# KiCad board Nova CPU Tester LED BUffers.kicad_pcb
title: Data General Nova 1200 CPU Diagnostic; date: 2019-05-19; rev: Rev 0; company: Forgotten Machines
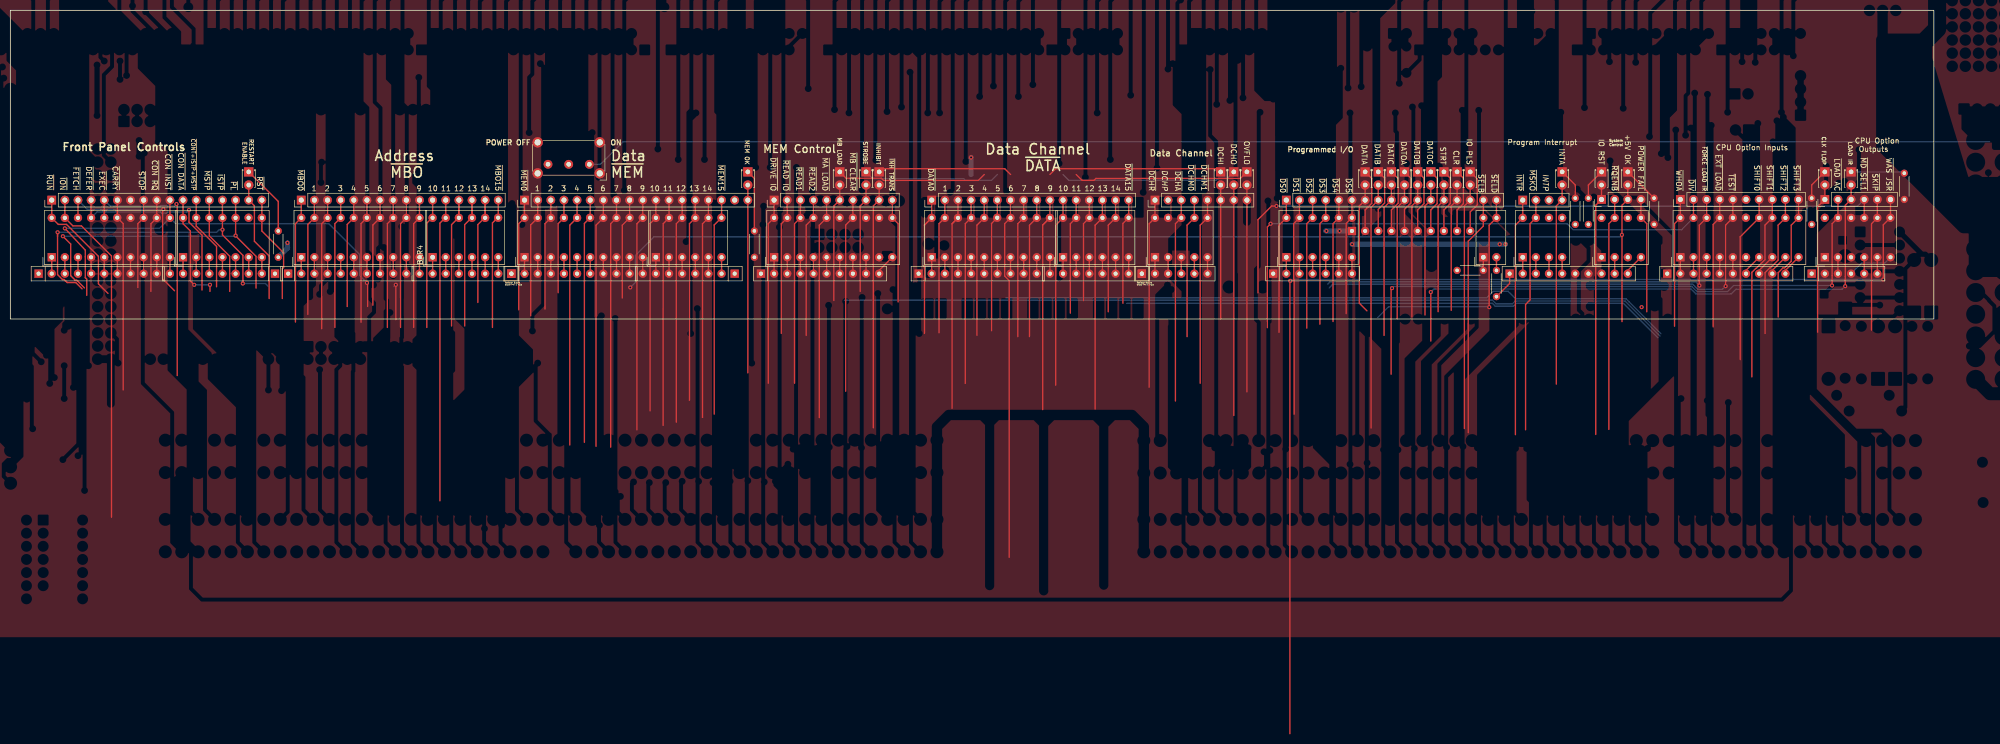
[diagram p0: board, top side]
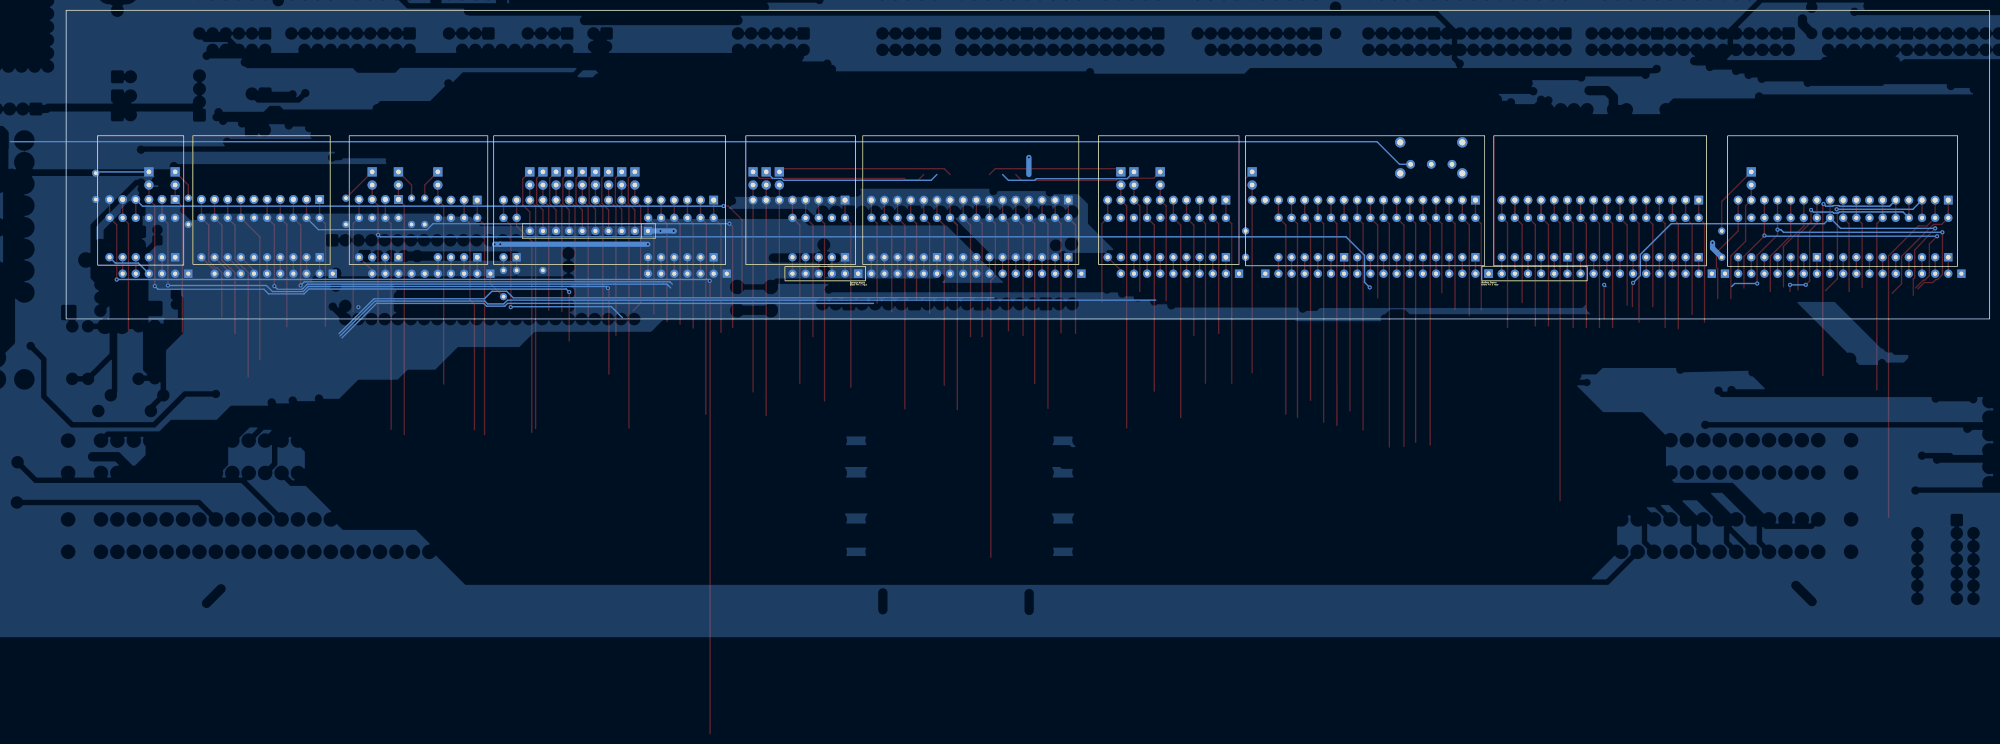
[diagram p1: board, bottom side, seen from below]

Outline 371.98 x 59.69 mm; copper layers: Top, Bottom. Coordinates in mm from the lower left corner of the outline.
Outline path: rectangle 0,59.69 371.98,0
Stack: Top 0.035mm / dielectric 1.51mm FR4 er 4.5 / Bottom 0.035mm

## Placement (name value [footprint] x y rotation side)
BAR1  -  [LED Bar 10]  8 11.94 0 top
BAR2  LED Bar 10  [LED Bar 7]  33.4 11.94 0 top
BAR3  -  [LED Bar 10]  56.26 11.94 0 top
BAR4  LED Bar 10  [LED Bar 6]  81.66 11.94 0 top
BAR5  -  [LED Bar 10]  99.44 11.94 0 top
BAR6  LED Bar 10  [LED Bar 6]  124.84 11.94 0 top
BAR7  -  [LED Bar 10]  147.7 11.94 0 top
BAR8  -  [LED Bar 10]  178.18 11.94 0 top
BAR9  LED Bar 10  [LED Bar 6]  203.58 11.94 0 top
BAR10  LED Bar 10  [LED Bar 6]  246.76 11.94 0 top
BAR11  LED Bar 10  [LED Bar 5]  221.36 11.94 0 top
BAR12  -  [LED Bar 2]  284.86 11.94 0 top
BAR13  -  [LED Bar 4]  292.48 11.94 0 top
BAR14  -  [LED Bar 4]  307.72 11.94 0 top
BAR15  -  [LED Bar 10]  322.96 11.94 0 top
BAR16  LED Bar 10  [LED Bar 6]  350.9 11.94 0 top
D7  LED  [LED_D1.8mm_W3.3mm_H2.4mm]  46.1 28.45 270 top
D8  LED  [LED_D1.8mm_W3.3mm_H2.4mm]  142.62 28.45 270 top
D9  LED  [LED_D1.8mm_W3.3mm_H2.4mm]  160.4 28.45 270 top
D10  LED  [LED_D1.8mm_W3.3mm_H2.4mm]  165.48 28.45 270 top
D11  LED  [LED_D1.8mm_W3.3mm_H2.4mm]  168.02 28.45 270 top
D12  LED  [LED_D1.8mm_W3.3mm_H2.4mm]  262 28.45 270 top
D13  LED  [LED_D1.8mm_W3.3mm_H2.4mm]  234.06 28.45 270 top
D14  LED  [LED_D1.8mm_W3.3mm_H2.4mm]  236.6 28.45 270 top
D15  LED  [LED_D1.8mm_W3.3mm_H2.4mm]  239.14 28.45 270 top
D16  LED  [LED_D1.8mm_W3.3mm_H2.4mm]  264.54 28.45 270 top
D17  LED  [LED_D1.8mm_W3.3mm_H2.4mm]  267.08 28.45 270 top
D18  LED  [LED_D1.8mm_W3.3mm_H2.4mm]  274.7 28.45 270 top
D19  LED  [LED_D1.8mm_W3.3mm_H2.4mm]  277.24 28.45 270 top
D20  LED  [LED_D1.8mm_W3.3mm_H2.4mm]  279.78 28.45 270 top
D21  LED  [LED_D1.8mm_W3.3mm_H2.4mm]  269.62 28.45 270 top
D22  LED  [LED_D1.8mm_W3.3mm_H2.4mm]  272.16 28.45 270 top
D23  LED  [LED_D1.8mm_W3.3mm_H2.4mm]  282.32 28.45 270 top
D24  LED  [LED_D1.8mm_W3.3mm_H2.4mm]  312.8 28.45 270 top
D25  LED  [LED_D1.8mm_W3.3mm_H2.4mm]  300.1 28.45 270 top
D26  LED  [LED_D1.8mm_W3.3mm_H2.4mm]  307.72 28.45 270 top
D27  LED  [LED_D1.8mm_W3.3mm_H2.4mm]  355.98 28.45 270 top
D28  LED  [LED_D1.8mm_W3.3mm_H2.4mm]  350.9 28.45 270 top
FPIMAGE1  MountingHole  [nova frontpanel layout]  -334.26 363.09 0 top
J6  MBO  [PinHeader_1x16_P2.54mm_Vertical]  56.26 22.99 90 top
J7  MEM  [PinHeader_1x18_P2.54mm_Vertical]  99.44 22.99 90 top
J8  Data Channel  [PinHeader_1x16_P2.54mm_Vertical]  178.18 22.99 90 top
J9  Front Panel Controls  [PinHeader_1x17_P2.54mm_Vertical]  8 22.99 90 top
J10  Programmed I/O  [PinHeader_1x17_P2.54mm_Vertical]  246.76 22.99 90 top
J11  CPU Option Inputs  [PinHeader_1x10_P2.54mm_Vertical]  322.96 23.11 90 top
J12  Data Channel  [PinHeader_1x08_P2.54mm_Vertical]  221.36 22.99 90 top
J13  Program Interrupt  [PinHeader_1x04_P2.54mm_Vertical]  292.48 22.99 90 top
J14  System Control  [PinHeader_1x04_P2.54mm_Vertical]  307.72 23.11 90 top
J17  CPU Option Outputs  [PinHeader_1x06_P2.54mm_Vertical]  350.9 23.11 90 top
J18  MEM Control Outputs  [PinHeader_1x10_P2.54mm_Vertical]  147.7 22.99 90 top
R7  R_US  [R_Axial_DIN0204_L3.6mm_D1.6mm_P5.08mm_Horizontal]  51.82 11.94 90 top
R8  R_US  [R_Axial_DIN0204_L3.6mm_D1.6mm_P5.08mm_Horizontal]  143.89 11.94 90 top
R9  R_US  [R_Axial_DIN0204_L3.6mm_D1.6mm_P5.08mm_Horizontal]  287.4 4.32 90 top
R10  R_US  [R_Axial_DIN0204_L3.6mm_D1.6mm_P5.08mm_Horizontal]  279.78 9.4 0 top
R11  R_US  [R_Axial_DIN0204_L3.6mm_D1.6mm_P5.08mm_Horizontal]  302.64 18.29 90 top
R12  R_US  [R_Axial_DIN0204_L3.6mm_D1.6mm_P5.08mm_Horizontal]  305.18 18.29 90 top
R13  R_US  [R_Axial_DIN0204_L3.6mm_D1.6mm_P5.08mm_Horizontal]  366.27 23.11 90 top
R14  R_US  [R_Axial_DIN0204_L3.6mm_D1.6mm_P5.08mm_Horizontal]  317.88 18.29 90 top
R15  R_US  [R_Axial_DIN0204_L3.6mm_D1.6mm_P5.08mm_Horizontal]  348.36 18.29 90 top
RN1  R_Network09_US  [R_Array_SIP10]  5.46 8.76 0 top
RN2  R_Network08_US  [R_Array_SIP9]  51.18 8.76 180 top
RN3  R_Network09_US  [R_Array_SIP10]  53.72 8.76 0 top
RN4  R_Network07_US  [R_Array_SIP8]  96.9 8.76 180 top
RN5  R_Network09_US  [R_Array_SIP10]  96.9 8.76 0 top
RN6  R_Network07_US  [R_Array_SIP8]  140.08 8.76 180 top
RN7  R_Network09_US  [R_Array_SIP10]  145.16 8.76 0 top
RN8  R_Network09_US  [R_Array_SIP10]  175.64 8.76 0 top
RN9  R_Network07_US  [R_Array_SIP8]  218.82 8.76 180 top
RN10  R_Network05_US  [R_Array_SIP6]  218.82 8.76 0 top
RN12  R_Network06_US  [R_Array_SIP7]  244.22 8.76 0 top
RN13  R_Network09_US  [R_Array_SIP10]  289.94 8.76 0 top
RN14  R_Network09_US  [R_Array_SIP10]  259.46 17.02 0 bottom
RN15  R_Network09_US  [R_Array_SIP10]  320.42 8.76 0 top
RN16  R_Network05_US  [R_Array_SIP6]  348.36 8.76 0 top
SW2  Power Swtich  [SW_E-Switch_EG1224_SPDT_Angled]  111.98 29.91 180 top

## Library data of the parts
D7-D28 = -: Description: Light emitting diode
J6 J8 = -: Description: Generic connector, single row, 01x16, script generated (kicad-library-utils/schlib/autogen/connector/)
J7 = -: Description: Generic connector, single row, 01x18, script generated (kicad-library-utils/schlib/autogen/connector/)
J9 J10 = -: Description: Generic connector, single row, 01x17, script generated (kicad-library-utils/schlib/autogen/connector/)
J11 J18 = -: Description: Generic connector, single row, 01x10, script generated (kicad-library-utils/schlib/autogen/connector/)
J12 = -: Description: Generic connector, single row, 01x08, script generated (kicad-library-utils/schlib/autogen/connector/)
J13 J14 = -: Description: Generic connector, single row, 01x04, script generated (kicad-library-utils/schlib/autogen/connector/)
J17 = -: Description: Generic connector, single row, 01x06, script generated (kicad-library-utils/schlib/autogen/connector/)
R7-R15 = -: Description: Resistor, US symbol
RN1 RN3 RN5 RN7 RN8 RN13-RN15 = -: Description: 9 resistor network, star topology, bussed resistors, small US symbol
RN2 = -: Description: 8 resistor network, star topology, bussed resistors, small US symbol
RN4 RN6 RN9 = -: Description: 7 resistor network, star topology, bussed resistors, small US symbol
RN10 RN16 = -: Description: 5 resistor network, star topology, bussed resistors, small US symbol
RN12 = -: Description: 6 resistor network, star topology, bussed resistors, small US symbol
SW2 = -: Description: Momentary Switch, dual pole double throw

## Footprints (pads in the part's own frame, mm; a bottom-side part is the same pattern mirrored in y, then rotated)
LED Bar 2
  rect 1.6x1.6 hole 0.914: 1(0,0)
  oval 1.6x1.6 hole 0.8: 2(2.54,0)
  round 1.6 hole 0.8: 19(2.54,7.62) 20(0,7.62)
LED Bar 4
  rect 1.6x1.6 hole 0.914: 1(0,0)
  oval 1.6x1.6 hole 0.8: 2(2.54,0) 3(5.08,0) 4(7.62,0) 17(7.62,7.62)
  round 1.6 hole 0.8: 18(5.08,7.62) 19(2.54,7.62) 20(0,7.62)
LED Bar 5
  rect 1.6x1.6 hole 0.914: 1(0,0)
  oval 1.6x1.6 hole 0.8: 2(2.54,0) 3(5.08,0) 4(7.62,0) 5(10.16,0) 16(10.16,7.62) 17(7.62,7.62)
  round 1.6 hole 0.8: 18(5.08,7.62) 19(2.54,7.62) 20(0,7.62)
LED Bar 6
  rect 1.6x1.6 hole 0.914: 1(0,0)
  oval 1.6x1.6 hole 0.8: 2(2.54,0) 3(5.08,0) 4(7.62,0) 5(10.16,0) 6(12.7,0) 15(12.675,7.64) 16(10.16,7.62) 17(7.62,7.62)
  round 1.6 hole 0.8: 18(5.08,7.62) 19(2.54,7.62) 20(0,7.62)
LED Bar 7
  rect 1.6x1.6 hole 0.914: 1(0,0)
  oval 1.6x1.6 hole 0.8: 2(2.54,0) 3(5.08,0) 4(7.62,0) 5(10.16,0) 6(12.7,0) 7(15.24,0) 14(15.24,7.62) 15(12.675,7.64) 16(10.16,7.62) 17(7.62,7.62)
  round 1.6 hole 0.8: 18(5.08,7.62) 19(2.54,7.62) 20(0,7.62)
LED Bar 10
  rect 1.6x1.6 hole 0.914: 1(0,0)
  oval 1.6x1.6 hole 0.8: 2(2.54,0) 3(5.08,0) 4(7.62,0) 5(10.16,0) 6(12.7,0) 7(15.24,0) 8(17.78,0) 9(20.32,0) 10(22.86,0) 11(22.86,7.62) 12(20.32,7.62) 13(17.78,7.62) 14(15.24,7.62) 15(12.675,7.64) 16(10.16,7.62) 17(7.62,7.62)
  round 1.6 hole 0.8: 18(5.08,7.62) 19(2.54,7.62) 20(0,7.62)
LED_D1.8mm_W3.3mm_H2.4mm
  rect 1.8x1.8 hole 0.9: 1(0,0)
  round 1.8 hole 0.9: 2(2.54,0)
PinHeader_1x04_P2.54mm_Vertical
  rect 1.7x1.7 hole 1: 1(0,0)
  oval 1.7x1.7 hole 1: 2(0,-2.54) 3(0,-5.08) 4(0,-7.62)
PinHeader_1x06_P2.54mm_Vertical
  rect 1.7x1.7 hole 1: 1(0,0)
  oval 1.7x1.7 hole 1: 2(0,-2.54) 3(0,-5.08) 4(0,-7.62) 5(0,-10.16) 6(0,-12.7)
PinHeader_1x08_P2.54mm_Vertical
  rect 1.7x1.7 hole 1: 1(0,0)
  oval 1.7x1.7 hole 1: 2(0,-2.54) 3(0,-5.08) 4(0,-7.62) 5(0,-10.16) 6(0,-12.7) 7(0,-15.24) 8(0,-17.78)
PinHeader_1x10_P2.54mm_Vertical
  rect 1.7x1.7 hole 1: 1(0,0)
  oval 1.7x1.7 hole 1: 2(0,-2.54) 3(0,-5.08) 4(0,-7.62) 5(0,-10.16) 6(0,-12.7) 7(0,-15.24) 8(0,-17.78) 9(0,-20.32) 10(0,-22.86)
PinHeader_1x16_P2.54mm_Vertical
  rect 1.7x1.7 hole 1: 1(0,0)
  oval 1.7x1.7 hole 1: 2(0,-2.54) 3(0,-5.08) 4(0,-7.62) 5(0,-10.16) 6(0,-12.7) 7(0,-15.24) 8(0,-17.78) 9(0,-20.32) 10(0,-22.86) 11(0,-25.4) 12(0,-27.94) 13(0,-30.48) 14(0,-33.02) 15(0,-35.56) 16(0,-38.1)
PinHeader_1x17_P2.54mm_Vertical
  rect 1.7x1.7 hole 1: 1(0,0)
  oval 1.7x1.7 hole 1: 2(0,-2.54) 3(0,-5.08) 4(0,-7.62) 5(0,-10.16) 6(0,-12.7) 7(0,-15.24) 8(0,-17.78) 9(0,-20.32) 10(0,-22.86) 11(0,-25.4) 12(0,-27.94) 13(0,-30.48) 14(0,-33.02) 15(0,-35.56) 16(0,-38.1) 17(0,-40.64)
PinHeader_1x18_P2.54mm_Vertical
  rect 1.7x1.7 hole 1: 1(0,0)
  oval 1.7x1.7 hole 1: 2(0,-2.54) 3(0,-5.08) 4(0,-7.62) 5(0,-10.16) 6(0,-12.7) 7(0,-15.24) 8(0,-17.78) 9(0,-20.32) 10(0,-22.86) 11(0,-25.4) 12(0,-27.94) 13(0,-30.48) 14(0,-33.02) 15(0,-35.56) 16(0,-38.1) 17(0,-40.64) 18(0,-43.18)
R_Array_SIP6
  rect 1.6x1.6 hole 0.8: 1(0,0)
  oval 1.6x1.6 hole 0.8: 2(2.54,0) 3(5.08,0) 4(7.62,0) 5(10.16,0) 6(12.7,0)
R_Array_SIP7
  rect 1.6x1.6 hole 0.8: 1(0,0)
  oval 1.6x1.6 hole 0.8: 2(2.54,0) 3(5.08,0) 4(7.62,0) 5(10.16,0) 6(12.7,0) 7(15.24,0)
R_Array_SIP8
  rect 1.6x1.6 hole 0.8: 1(0,0)
  oval 1.6x1.6 hole 0.8: 2(2.54,0) 3(5.08,0) 4(7.62,0) 5(10.16,0) 6(12.7,0) 7(15.24,0) 8(17.78,0)
R_Array_SIP9
  rect 1.6x1.6 hole 0.8: 1(0,0)
  oval 1.6x1.6 hole 0.8: 2(2.54,0) 3(5.08,0) 4(7.62,0) 5(10.16,0) 6(12.7,0) 7(15.24,0) 8(17.78,0) 9(20.32,0)
R_Array_SIP10
  rect 1.6x1.6 hole 0.8: 1(0,0)
  oval 1.6x1.6 hole 0.8: 2(2.54,0) 3(5.08,0) 4(7.62,0) 5(10.16,0) 6(12.7,0) 7(15.24,0) 8(17.78,0) 9(20.32,0) 10(22.86,0)
R_Axial_DIN0204_L3.6mm_D1.6mm_P5.08mm_Horizontal
  round 1.4 hole 0.7: 1(0,0)
  oval 1.4x1.4 hole 0.7: 2(5.08,0)
SW_E-Switch_EG1224_SPDT_Angled
  round 2 hole 1.2: (-2,1.75) (-2,-4.25) (10,1.75) (10,-4.25)
  round 1.7 hole 0.9: 1(0,0) 2(4,0) 3(8,0)

## Nets
+5V: R9.1 R10.1 RN1.1 RN2.1 RN3.1 RN4.1 RN5.1 RN6.1 RN7.1 RN8.1 RN9.1 RN10.1 RN12.1 RN13.1 RN15.1 RN16.1
+5V OK: D24.2 J14.3
GND: R7.1 R8.1 R11.1 R12.1 R13.1 R14.1 R15.1 RN14.1 SW2.2 SW2.3
CLK FLOP: D28.2 J17.1
CLR: D20.2 J10.14
DATIA: D12.2 J10.7
DATIB: D16.2 J10.8
DATIC: D17.2 J10.9
DATOA: D21.2 J10.10
DATOB: D22.2 J10.11
DATOC: D18.2 J10.12
DCHI: D13.2 J12.6
DCHO: D14.2 J12.7
INHIBIT: D11.2 J18.9
INTA: D25.2 J13.4
IO PLS: D23.2 J10.15
IO RST: D26.2 J14.1
LOAD IR: D27.2 J17.3
MB LOAD: D9.2 J18.6
MEM OK: D8.2 J7.18
OVFLO: D15.2 J12.8
Power SW: SW2.1
RESTART ENABLE: D7.2 J9.16
STROBE: D10.2 J18.8
STRT: D19.2 J10.13
~{CARRY}: BAR1.15 J9.6
~{CON DATA}: BAR2.20 J9.11
~{CON INST}: BAR1.11 J9.10
~{CON RQ}: BAR1.12 J9.9
~{CONT+ISTP+MSTP}: BAR2.19 J9.12
~{DATA0}: BAR8.20 J8.1
~{DATA1}: BAR8.19 J8.2
~{DATA2}: BAR8.18 J8.3
~{DATA3}: BAR8.17 J8.4
~{DATA4}: BAR8.16 J8.5
~{DATA5}: BAR8.15 J8.6
~{DATA6}: BAR8.14 J8.7
~{DATA7}: BAR8.13 J8.8
~{DATA8}: BAR8.12 J8.9
~{DATA9}: BAR8.11 J8.10
~{DATA10}: BAR9.20 J8.11
~{DATA11}: BAR9.19 J8.12
~{DATA12}: BAR9.18 J8.13
~{DATA13}: BAR9.17 J8.14
~{DATA14}: BAR9.16 J8.15
~{DATA15}: BAR9.15 J8.16
~{DCHA}: BAR11.18 J12.3
~{DCHM0}: BAR11.17 J12.4
~{DCHM1}: BAR11.16 J12.5
~{DCHR}: BAR11.20 J12.1
~{DEFER}: BAR1.17 J9.4
~{DIV}: BAR15.19 J11.2
~{DRIVE IO}: BAR7.20 J18.1
~{DS0}: BAR10.20 J10.1
~{DS1}: BAR10.19 J10.2
~{DS2}: BAR10.18 J10.3
~{DS3}: BAR10.17 J10.4
~{DS4}: BAR10.16 J10.5
~{DS5}: BAR10.15 J10.6
~{EXEC}: BAR1.16 J9.5
~{EXT LOAD}: BAR15.17 J11.4
~{FETCH}: BAR1.18 J9.3
~{FORCE LOAD IR}: BAR15.18 J11.3
~{INH TRANS}: BAR7.11 J18.10
~{INTR}: BAR13.20 J13.1
~{ION}: BAR1.19 J9.2
~{ISTP}: BAR2.17 J9.14
~{LOAD AC}: BAR16.19 J17.2
~{MA LOAD}: BAR7.16 J18.5
~{MB CLEAR}: BAR7.14 J18.7
~{MBO0}: BAR3.20 J6.1
~{MBO1}: BAR3.19 J6.2
~{MBO2}: BAR3.18 J6.3
~{MBO3}: BAR3.17 J6.4
~{MBO4}: BAR3.16 J6.5
~{MBO5}: BAR3.15 J6.6
~{MBO6}: BAR3.14 J6.7
~{MBO7}: BAR3.13 J6.8
~{MBO8}: BAR3.12 J6.9
~{MBO9}: BAR3.11 J6.10
~{MBO10}: BAR4.20 J6.11
~{MBO11}: BAR4.19 J6.12
~{MBO12}: BAR4.18 J6.13
~{MBO13}: BAR4.17 J6.14
~{MBO14}: BAR4.16 J6.15
~{MBO15}: BAR4.15 J6.16
~{MD SEL1}: BAR16.17 J17.4
~{MEM0}: BAR5.20 J7.1
~{MEM1}: BAR5.19 J7.2
~{MEM2}: BAR5.18 J7.3
~{MEM3}: BAR5.17 J7.4
~{MEM4}: BAR5.16 J7.5
~{MEM5}: BAR5.15 J7.6
~{MEM6}: BAR5.14 J7.7
~{MEM7}: BAR5.13 J7.8
~{MEM8}: BAR5.12 J7.9
~{MEM9}: BAR5.11 J7.10
~{MEM10}: BAR6.20 J7.11
~{MEM11}: BAR6.19 J7.12
~{MEM12}: BAR6.18 J7.13
~{MEM13}: BAR6.17 J7.14
~{MEM14}: BAR6.16 J7.15
~{MEM15}: BAR6.15 J7.16
~{MSKO}: BAR13.19 J13.2
~{MSTP}: BAR2.18 J9.13
~{PL}: BAR2.16 J9.15
~{POWER FAIL}: BAR14.17 J14.4
~{READ1}: BAR7.18 J18.3
~{READ2}: BAR7.17 J18.4
~{READ IO}: BAR7.19 J18.2
~{RQENB}: BAR14.19 J14.2
~{RST}: BAR2.14 J9.17
~{RUN}: BAR1.20 J9.1
~{SELB}: BAR12.20 J10.16
~{SELD}: BAR12.19 J10.17
~{SHIFT0}: BAR15.14 J11.7
~{SHIFT1}: BAR15.13 J11.8
~{SHIFT2}: BAR15.12 J11.9
~{SHIFT3}: BAR15.11 J11.10
~{SKIP}: BAR16.16 J17.5
~{STOP}: BAR1.13 J9.8
~{TEST}: BAR15.16 J11.5
~{WAS JSR}: BAR16.15 J17.6
~{WHOA}: BAR15.20 J11.1
Net-(BAR12-Pad1): BAR12.1 R10.2
Net-(BAR12-Pad2): BAR12.2 R9.2
Net-(D7-K): D7.1 R7.2
Net-(D8-K): D8.1 R8.2
Net-(D9-K): D9.1
Net-(D10-K): D10.1
Net-(D11-K): D11.1
Net-(D12-K): D12.1 RN14.2
Net-(D13-K): D13.1
Net-(D14-K): D14.1
Net-(D15-K): D15.1
Net-(D16-K): D16.1 RN14.3
Net-(D17-K): D17.1 RN14.4
Net-(D18-K): D18.1 RN14.7
Net-(D19-K): D19.1 RN14.8
Net-(D20-K): D20.1 RN14.9
Net-(D21-K): D21.1 RN14.5
Net-(D22-K): D22.1 RN14.6
Net-(D23-K): D23.1 RN14.10
Net-(D24-K): D24.1 R14.2
Net-(D25-K): D25.1 R11.2
Net-(D26-K): D26.1 R12.2
Net-(D27-K): D27.1 R13.2
Net-(D28-K): D28.1 R15.2
Net-(RN1-R1): BAR1.1 RN1.2
Net-(RN1-R2): BAR1.2 RN1.3
Net-(RN1-R3): BAR1.3 RN1.4
Net-(RN1-R4): BAR1.4 RN1.5
Net-(RN1-R5): BAR1.5 RN1.6
Net-(RN1-R6): BAR1.6 RN1.7
Net-(RN1-R7): BAR1.7 RN1.8
Net-(RN1-R8): BAR1.8 RN1.9
Net-(RN1-R9): BAR1.9 RN1.10
Net-(RN2-R1): BAR2.7 RN2.2
Net-(RN2-R2): BAR2.6 RN2.3
Net-(RN2-R3): BAR2.5 RN2.4
Net-(RN2-R4): BAR2.4 RN2.5
Net-(RN2-R5): BAR2.3 RN2.6
Net-(RN2-R6): BAR2.2 RN2.7
Net-(RN2-R7): BAR2.1 RN2.8
Net-(RN2-R8): BAR1.10 RN2.9
Net-(RN3-R1): BAR3.1 RN3.2
Net-(RN3-R2): BAR3.2 RN3.3
Net-(RN3-R3): BAR3.3 RN3.4
Net-(RN3-R4): BAR3.4 RN3.5
Net-(RN3-R5): BAR3.5 RN3.6
Net-(RN3-R6): BAR3.6 RN3.7
Net-(RN3-R7): BAR3.7 RN3.8
Net-(RN3-R8): BAR3.8 RN3.9
Net-(RN3-R9): BAR3.9 RN3.10
Net-(RN4-R1): BAR4.6 RN4.2
Net-(RN4-R2): BAR4.5 RN4.3
Net-(RN4-R3): BAR4.4 RN4.4
Net-(RN4-R4): BAR4.3 RN4.5
Net-(RN4-R5): BAR4.2 RN4.6
Net-(RN4-R6): BAR4.1 RN4.7
Net-(RN4-R7): BAR3.10 RN4.8
Net-(RN5-R1): BAR5.1 RN5.2
Net-(RN5-R2): BAR5.2 RN5.3
Net-(RN5-R3): BAR5.3 RN5.4
Net-(RN5-R4): BAR5.4 RN5.5
Net-(RN5-R5): BAR5.5 RN5.6
Net-(RN5-R6): BAR5.6 RN5.7
Net-(RN5-R7): BAR5.7 RN5.8
Net-(RN5-R8): BAR5.8 RN5.9
Net-(RN5-R9): BAR5.9 RN5.10
Net-(RN6-R1): BAR6.6 RN6.2
Net-(RN6-R2): BAR6.5 RN6.3
Net-(RN6-R3): BAR6.4 RN6.4
Net-(RN6-R4): BAR6.3 RN6.5
Net-(RN6-R5): BAR6.2 RN6.6
Net-(RN6-R6): BAR6.1 RN6.7
Net-(RN6-R7): BAR5.10 RN6.8
Net-(RN7-R1): BAR7.1 RN7.2
Net-(RN7-R2): BAR7.2 RN7.3
Net-(RN7-R3): BAR7.3 RN7.4
Net-(RN7-R4): BAR7.4 RN7.5
Net-(RN7-R5): BAR7.5 RN7.6
Net-(RN7-R6): BAR7.6 RN7.7
Net-(RN7-R7): BAR7.7 RN7.8
Net-(RN7-R8): BAR7.8 RN7.9
Net-(RN7-R9): BAR7.10 RN7.10
Net-(RN8-R1): BAR8.1 RN8.2
Net-(RN8-R2): BAR8.2 RN8.3
Net-(RN8-R3): BAR8.3 RN8.4
Net-(RN8-R4): BAR8.4 RN8.5
Net-(RN8-R5): BAR8.5 RN8.6
Net-(RN8-R6): BAR8.6 RN8.7
Net-(RN8-R7): BAR8.7 RN8.8
Net-(RN8-R8): BAR8.8 RN8.9
Net-(RN8-R9): BAR8.9 RN8.10
Net-(RN9-R1): BAR9.6 RN9.2
Net-(RN9-R2): BAR9.5 RN9.3
Net-(RN9-R3): BAR9.4 RN9.4
Net-(RN9-R4): BAR9.3 RN9.5
Net-(RN9-R5): BAR9.2 RN9.6
Net-(RN9-R6): BAR9.1 RN9.7
Net-(RN9-R7): BAR8.10 RN9.8
Net-(RN10-R1): BAR11.1 RN10.2
Net-(RN10-R2): BAR11.2 RN10.3
Net-(RN10-R3): BAR11.3 RN10.4
Net-(RN10-R4): BAR11.4 RN10.5
Net-(RN10-R5): BAR11.5 RN10.6
Net-(RN12-R1): BAR10.1 RN12.2
Net-(RN12-R2): BAR10.2 RN12.3
Net-(RN12-R3): BAR10.3 RN12.4
Net-(RN12-R4): BAR10.4 RN12.5
Net-(RN12-R5): BAR10.5 RN12.6
Net-(RN12-R6): BAR10.6 RN12.7
Net-(RN13-R1): BAR13.1 RN13.2
Net-(RN13-R2): BAR13.2 RN13.3
Net-(RN13-R3): BAR13.3 RN13.4
Net-(RN13-R4): BAR13.4 RN13.5
Net-(RN13-R8): BAR14.2 RN13.9
Net-(RN13-R9): BAR14.4 RN13.10
Net-(RN15-R1): BAR15.1 RN15.2
Net-(RN15-R2): BAR15.2 RN15.3
Net-(RN15-R3): BAR15.3 RN15.4
Net-(RN15-R4): BAR15.4 RN15.5
Net-(RN15-R5): BAR15.5 RN15.6
Net-(RN15-R6): BAR15.7 RN15.7